# Altium PCB MCU021_V1.0_PCB.PcbDoc (part 1 of 3)
Units mil, origin at the board's own origin, x right, y up, seen from the top; angles counter-clockwise.
Board outline 2300 x 3100 mil, 4 copper layers (Top Layer, GND, Vcc, Bottom Layer), stack 60.63 mil thick; 177 components, 105 nets, 514 pads, 460 vias.
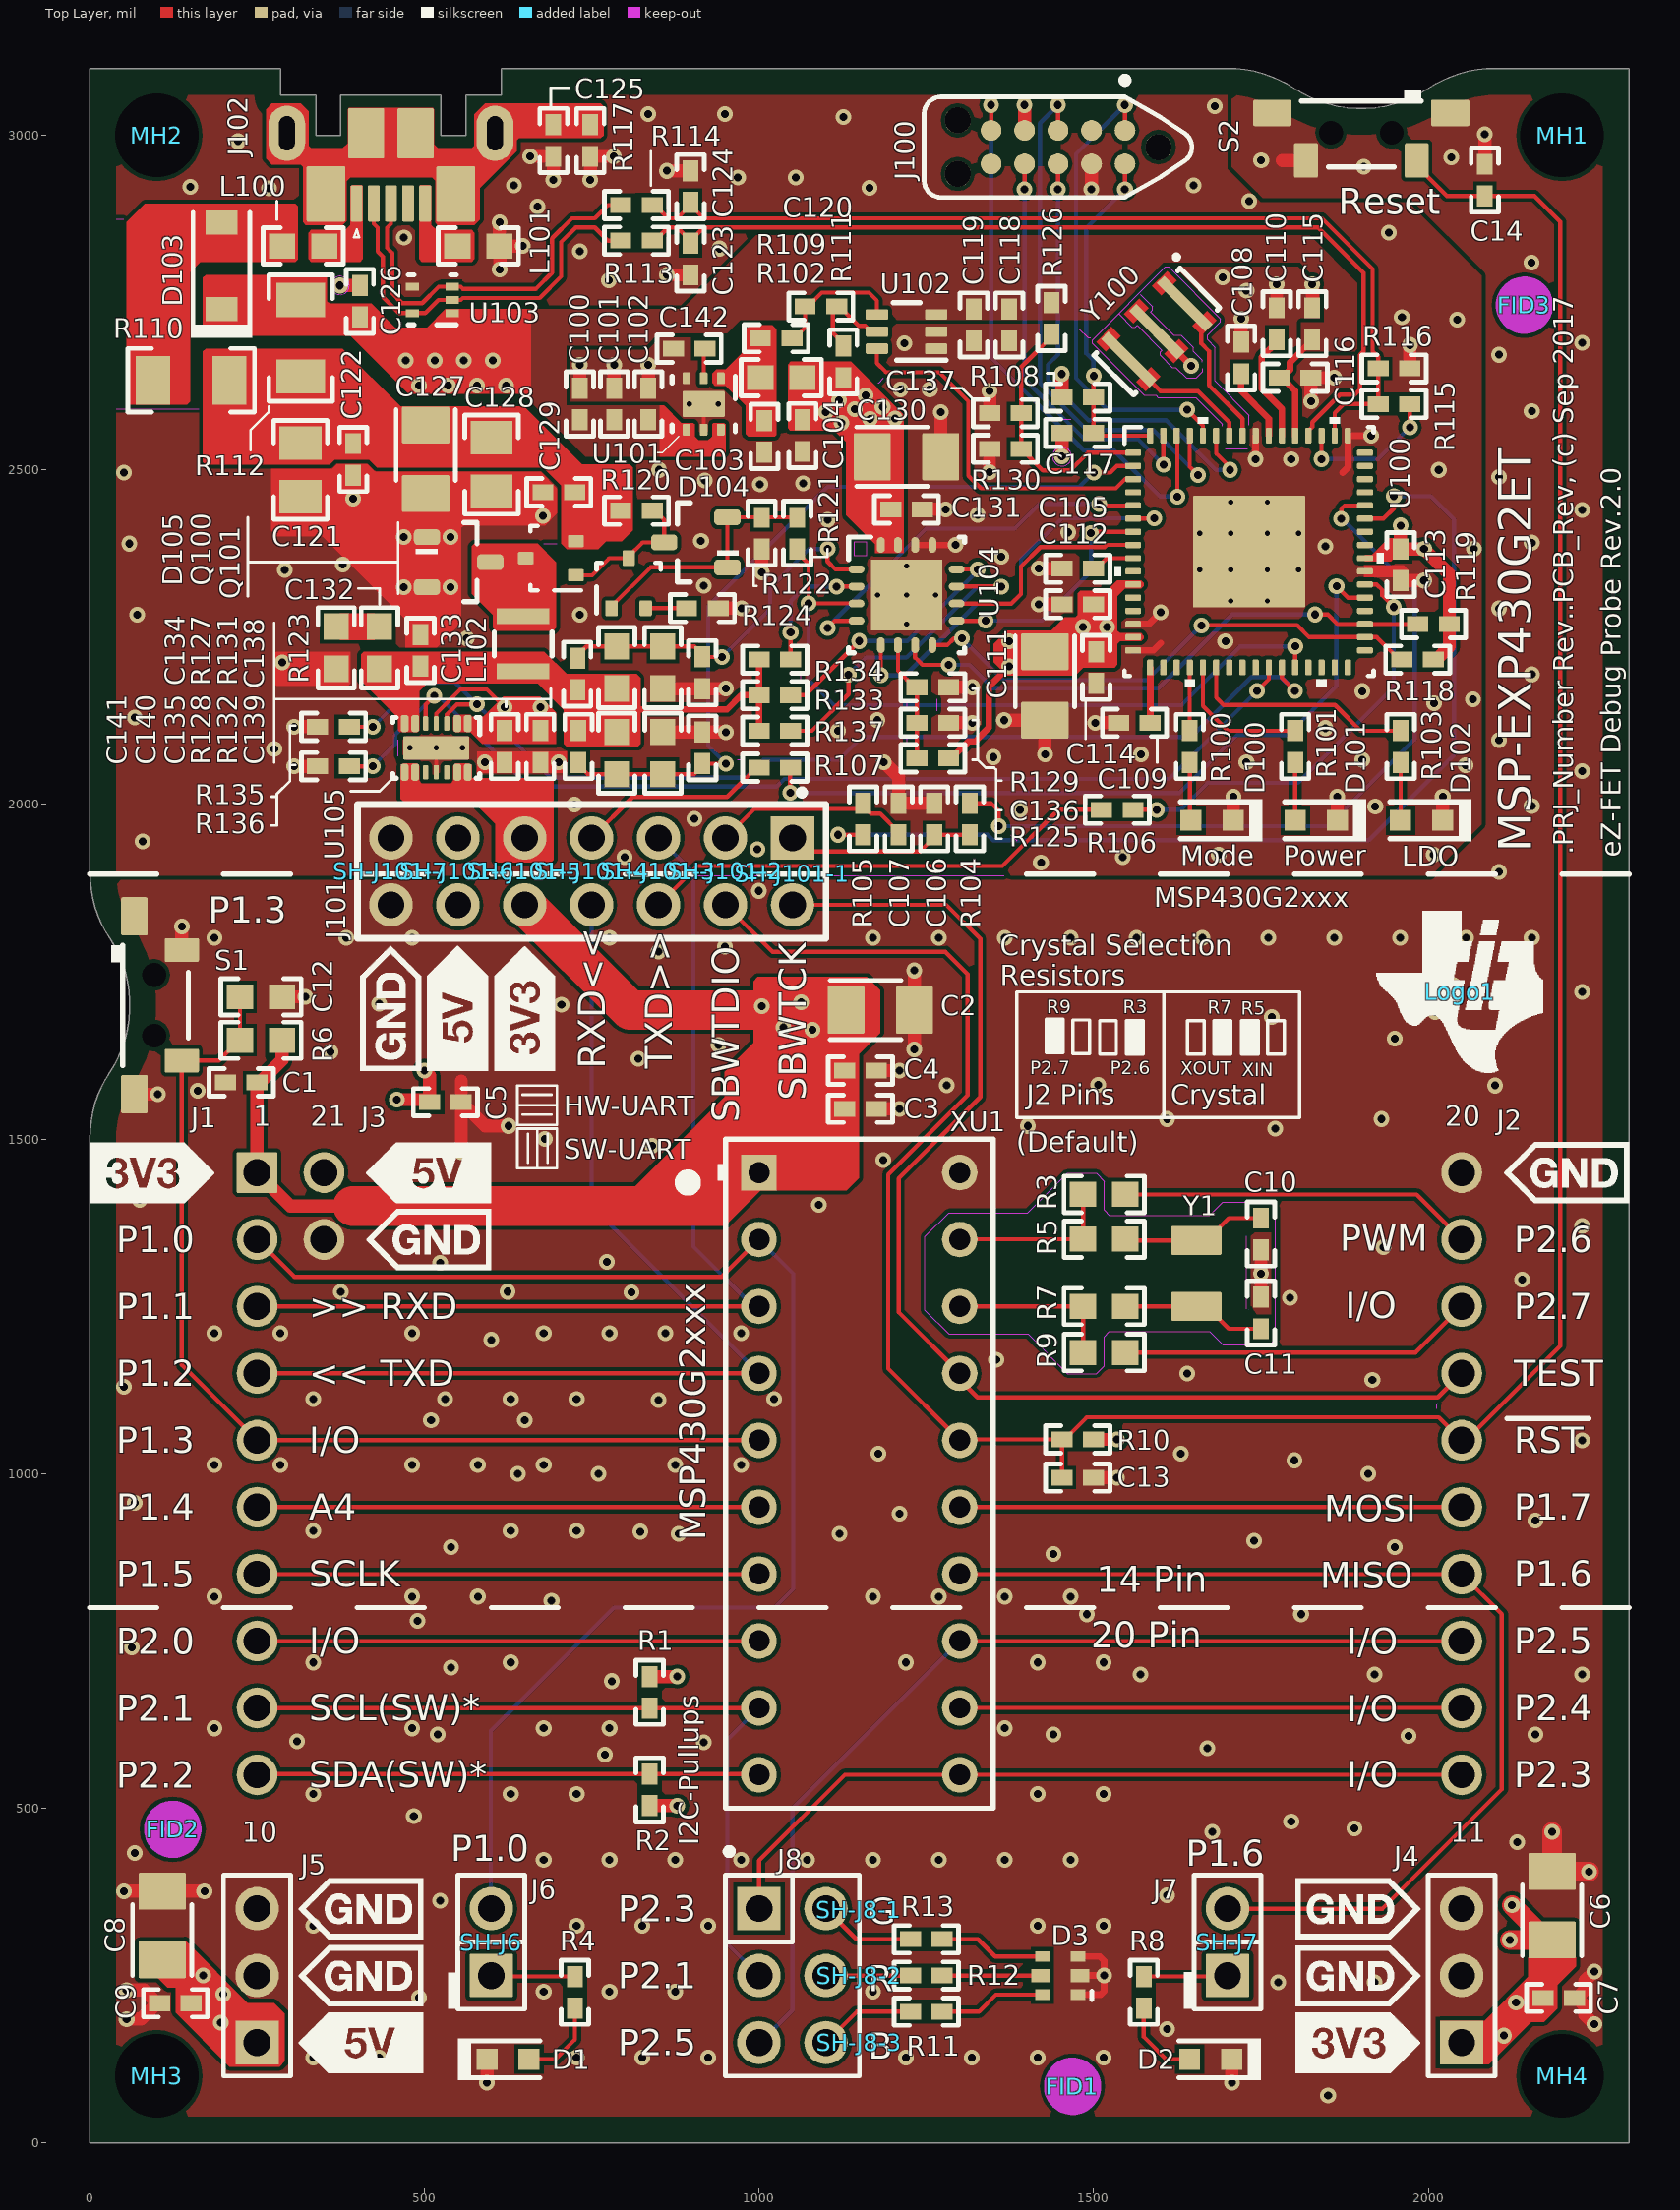
[diagram p0: Top Layer view]
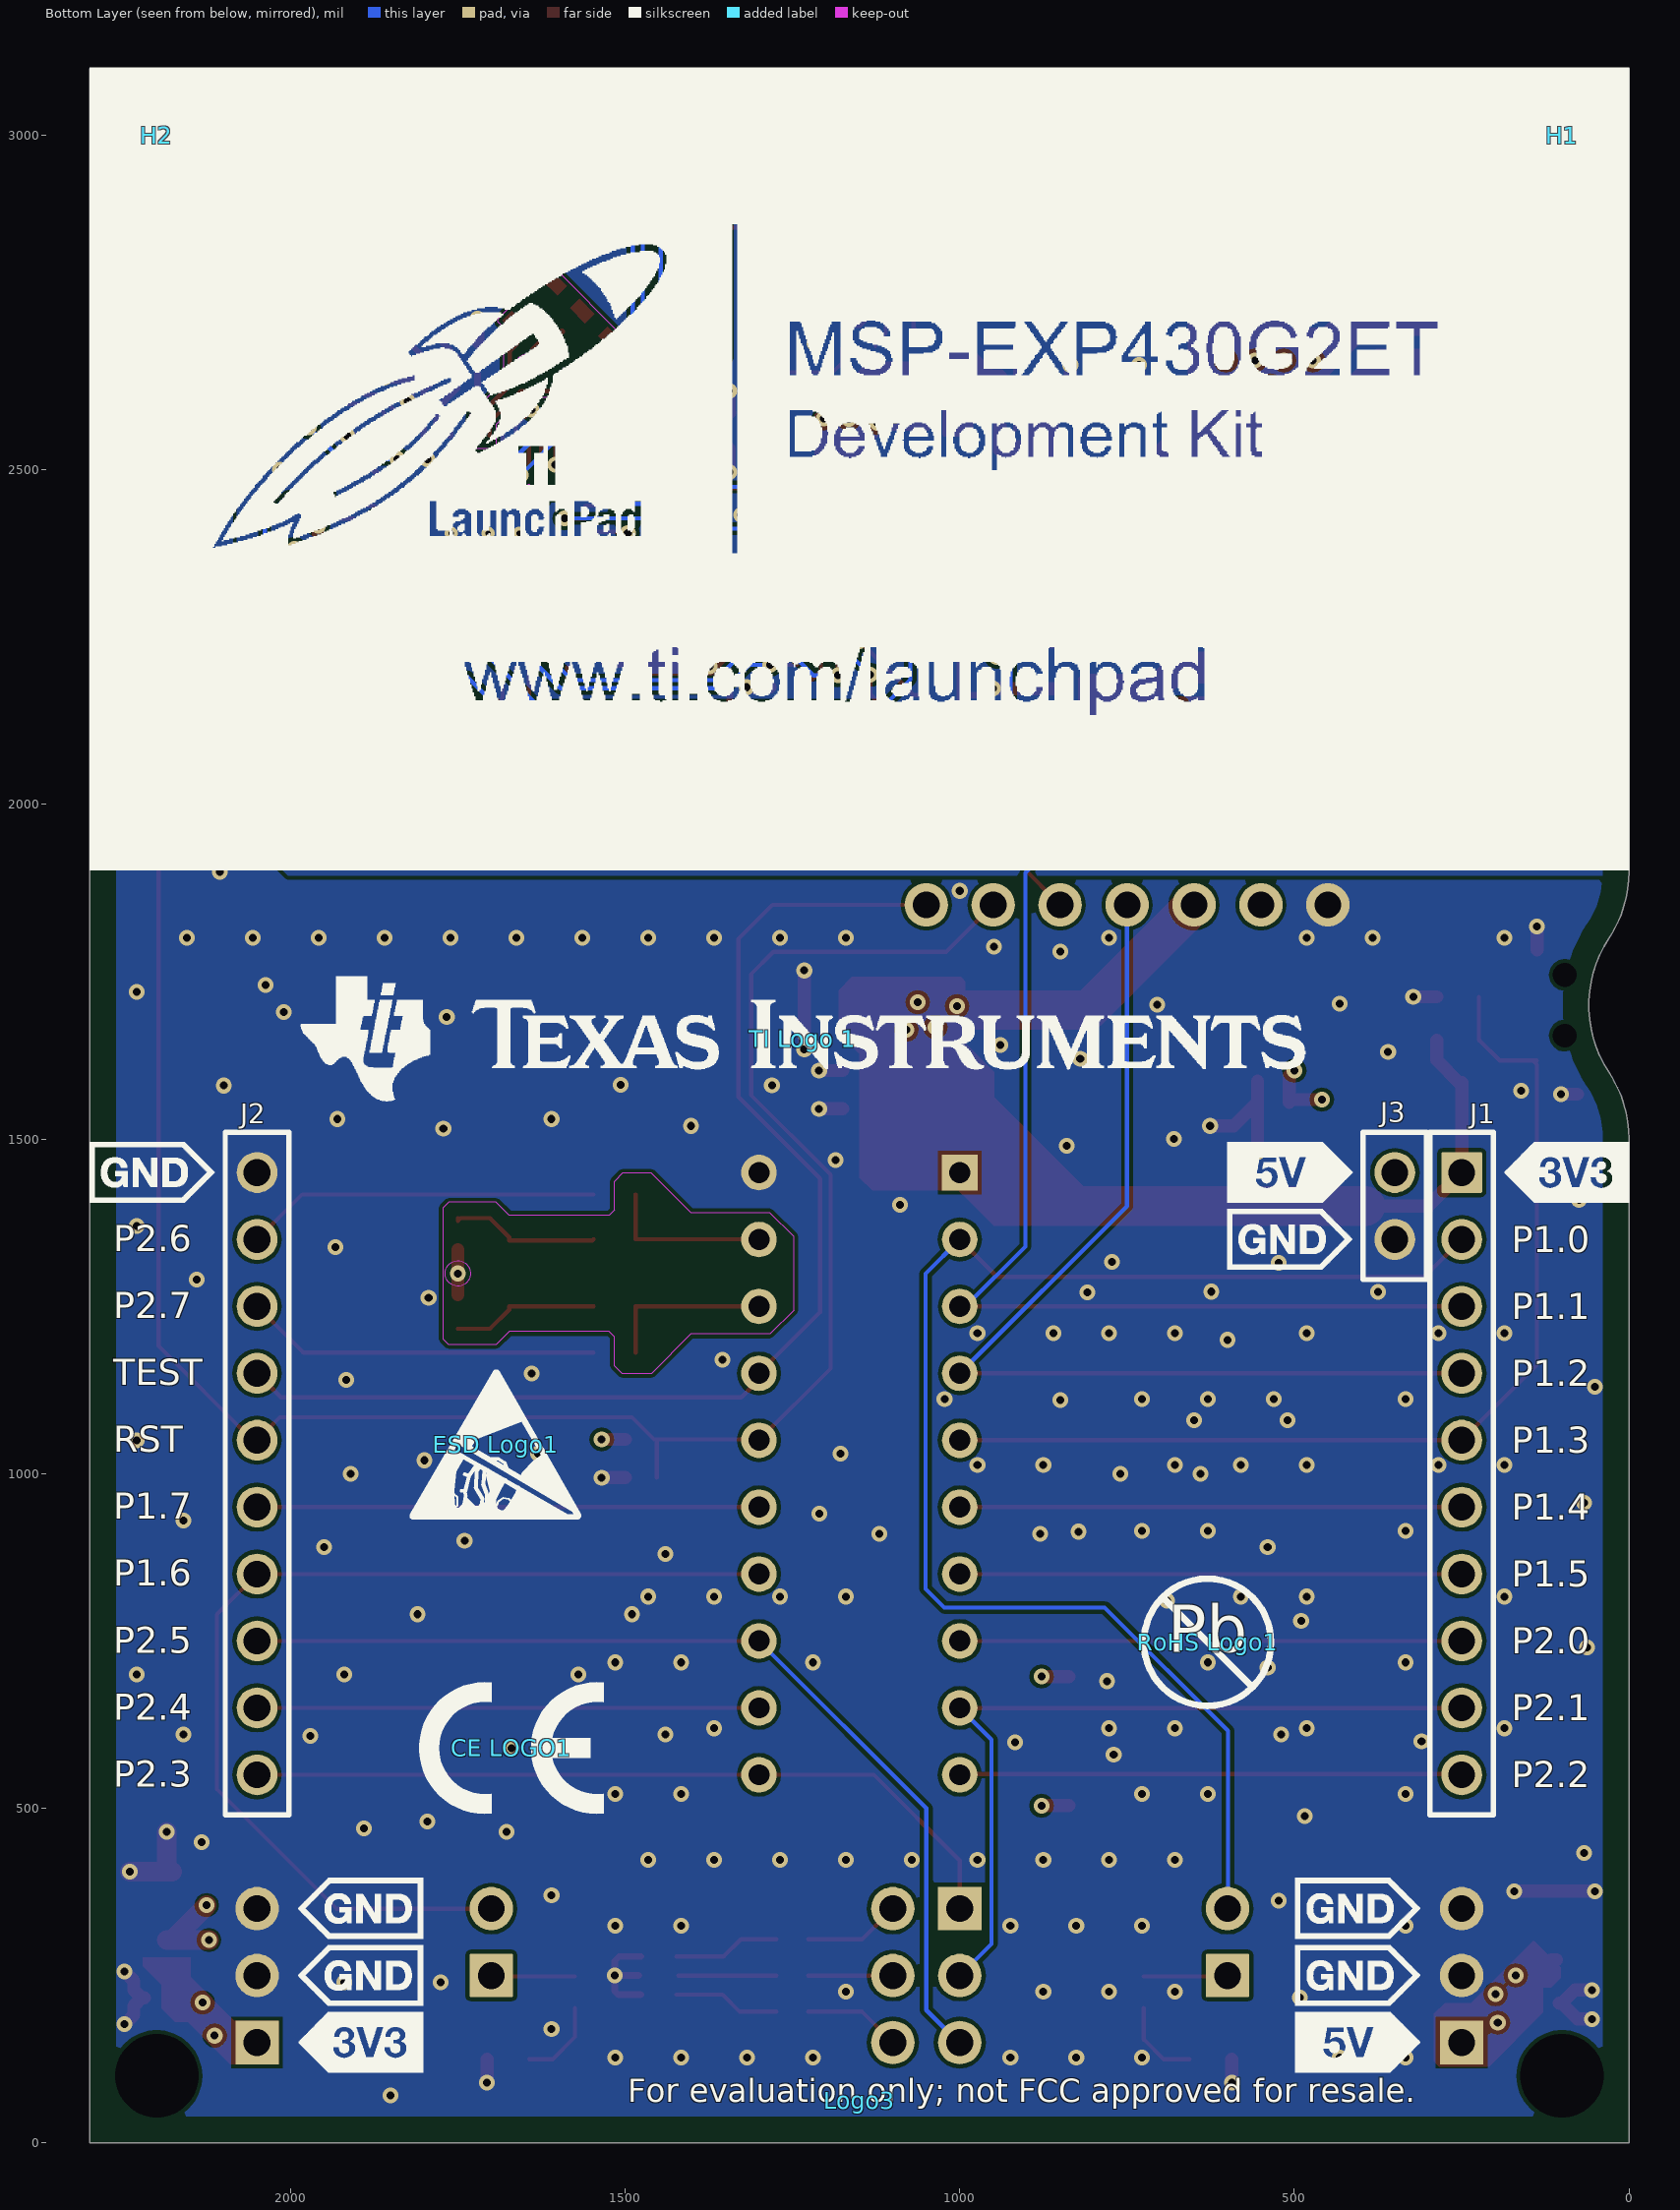
[diagram p1: Bottom Layer view, seen from below]
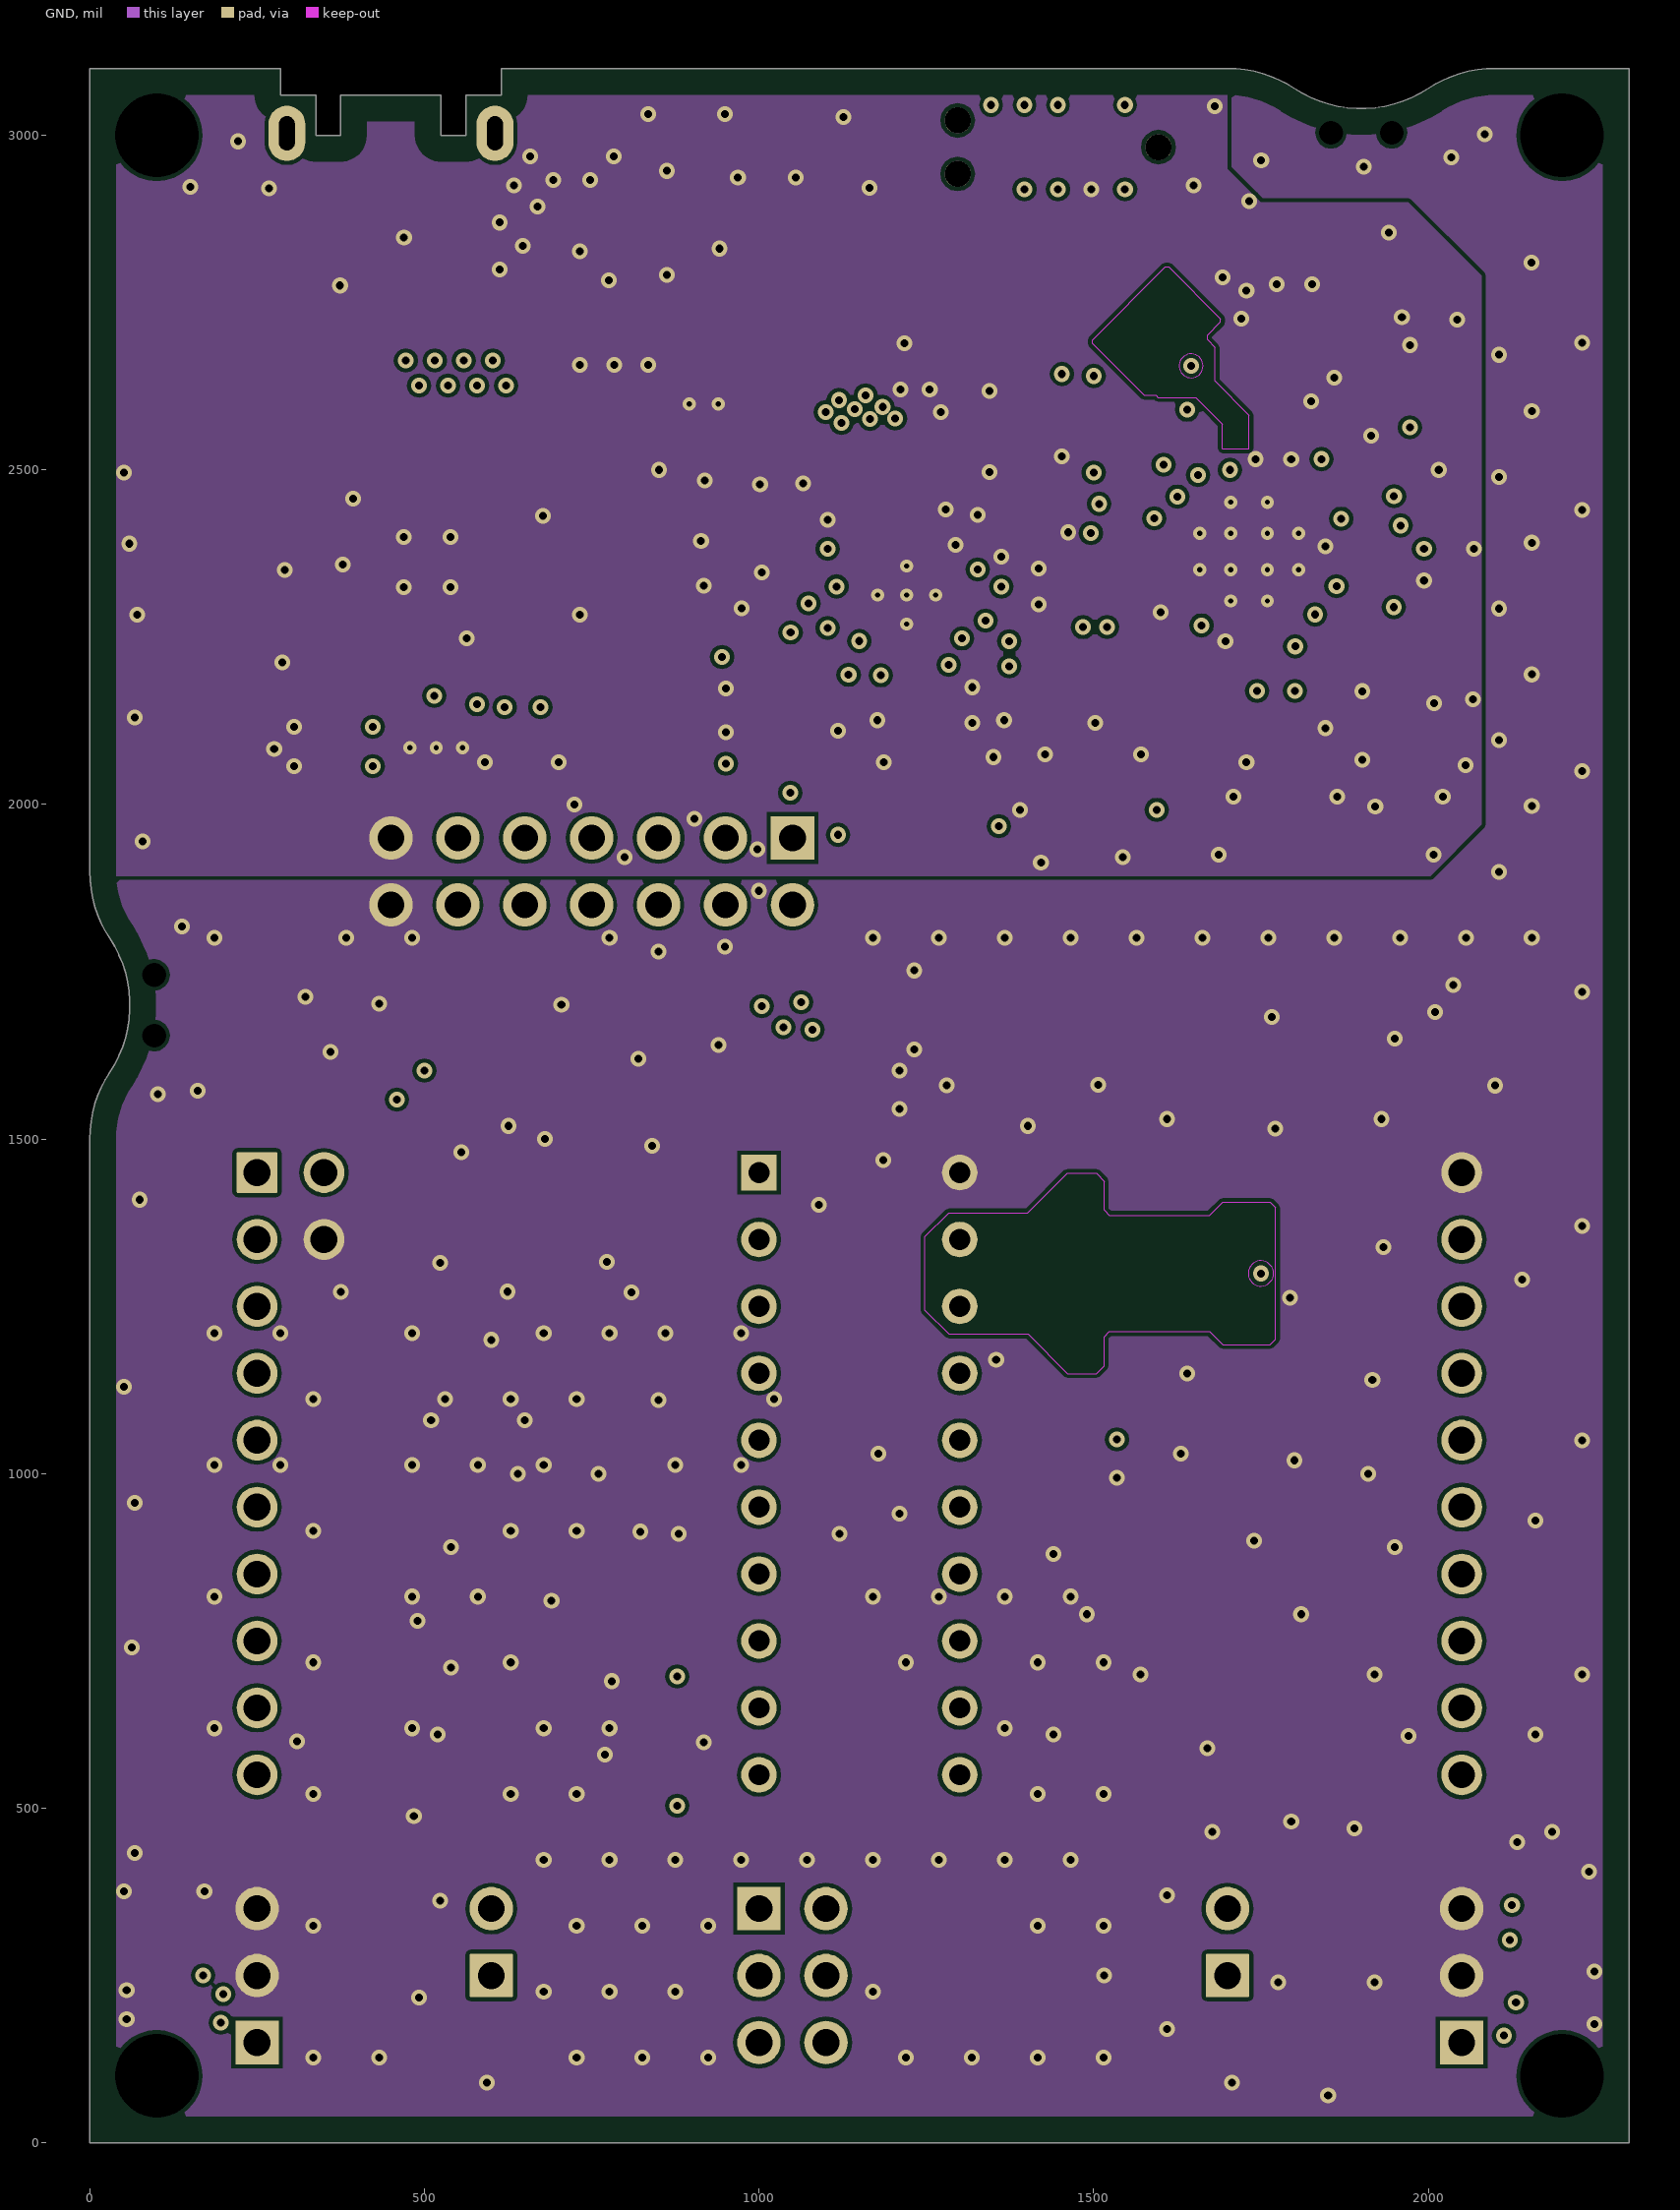
[diagram p2: GND]
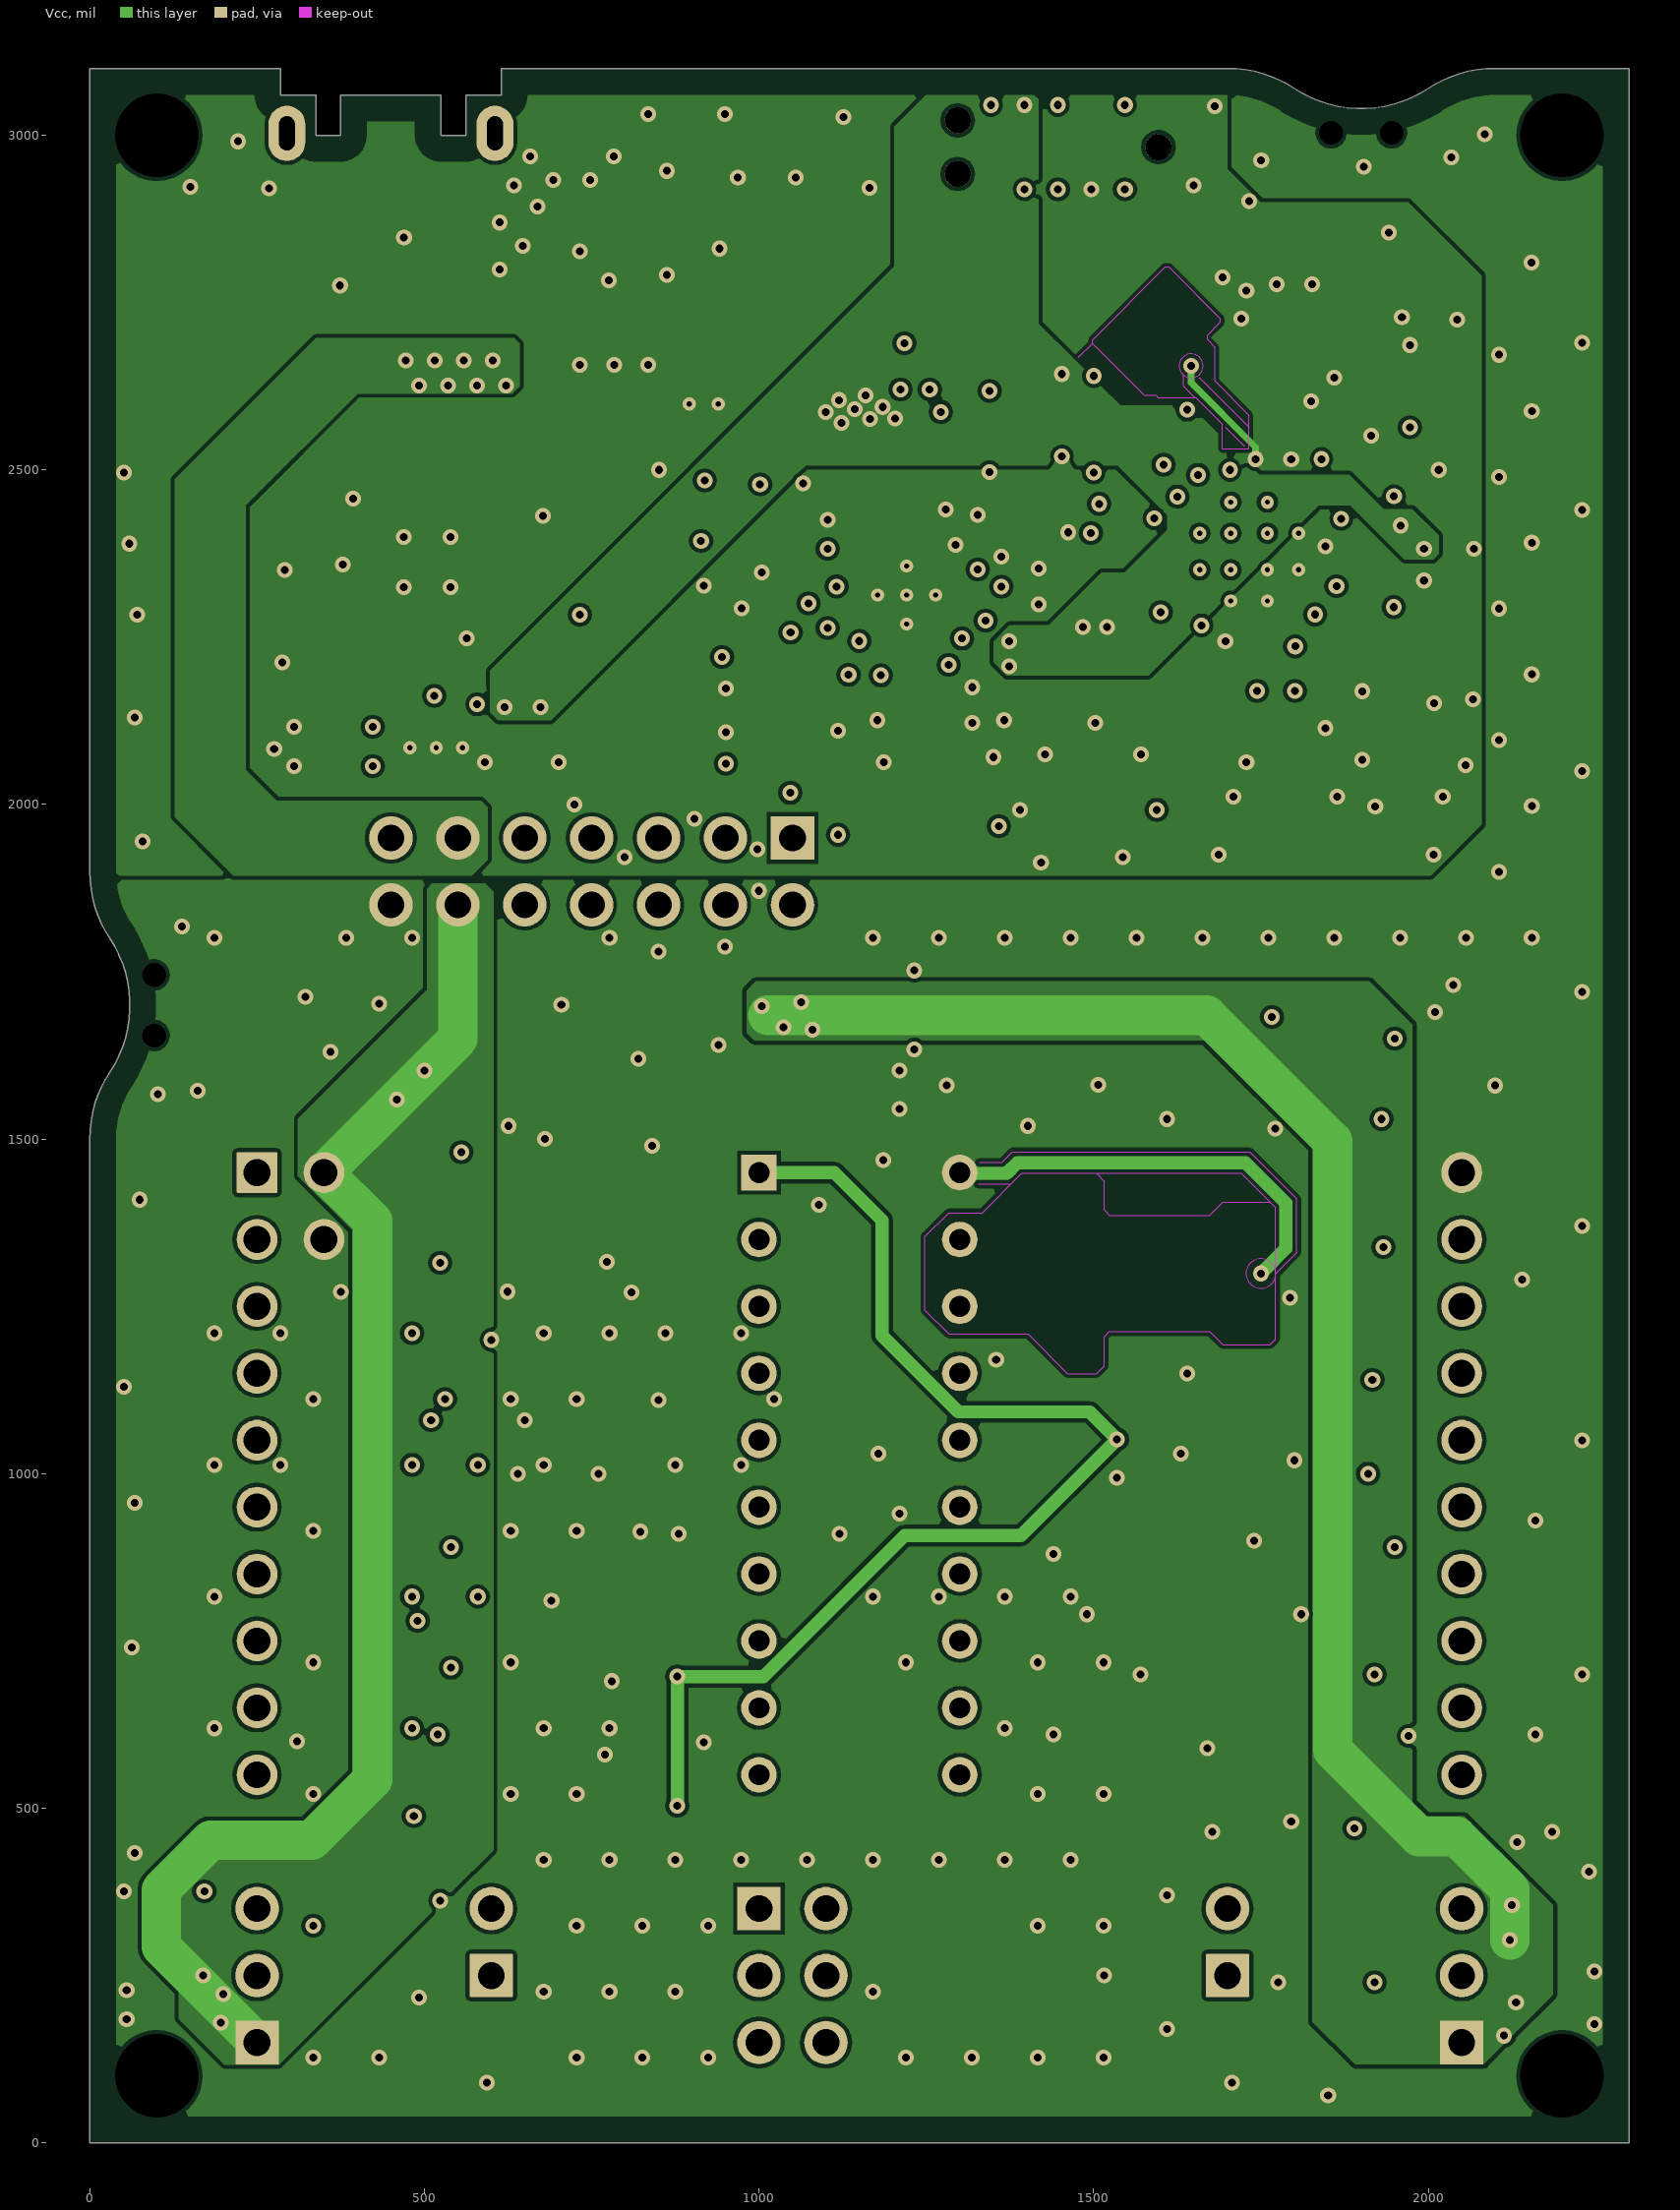
[diagram p3: Vcc]
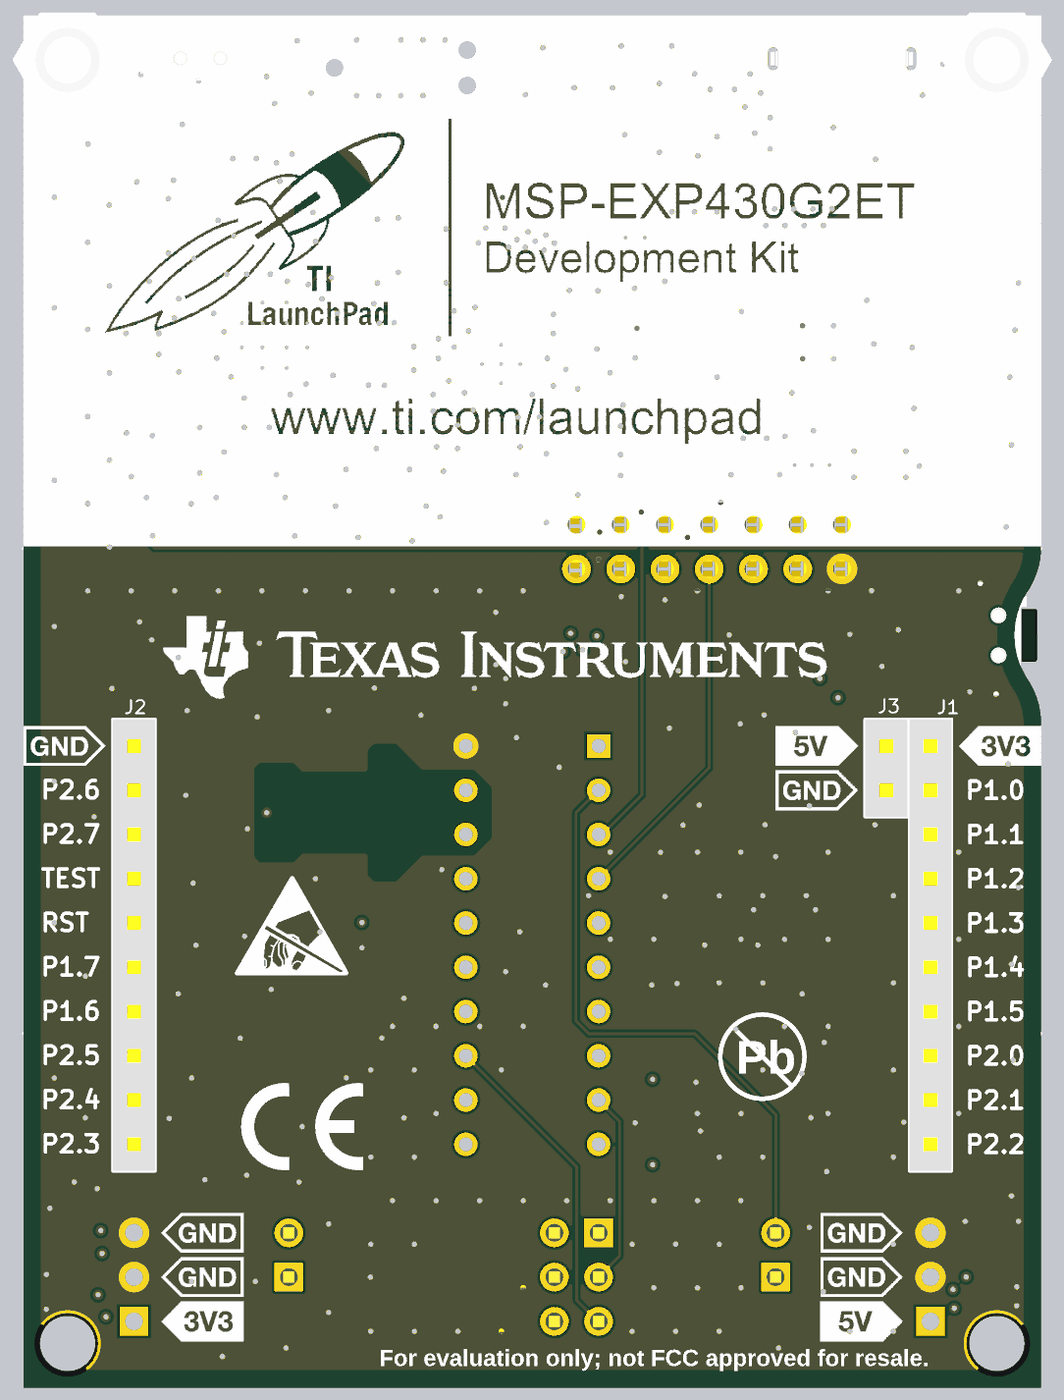
[diagram p6: 3D render of the assembled board from below, using the file's embedded part models]

## Layer stack, top to bottom
Top Solder: solder mask 0.3937, Solder Resist, Dk 3.3
Top Layer: signal copper 1.378
Dielectric 1: prepreg 3.937, FR-4, Dk 4.3
GND: signal copper 1.378
Dielectric 2: core 47.2441, FR-4, Dk 4.3
Vcc: signal copper 1.378
Dielectric 3: prepreg 3.937, FR-4, Dk 4.3
Bottom Layer: signal copper 1.378
Bottom Solder: solder mask 0.3937, Solder Resist, Dk 3.3

## Board outline
0,0 0,1500 cw(c181.67,1500) 30,1600 ccw(c-121.67,1700) 30,1800 cw(c181.67,1900) 0,1900 0,3100 285,3100 285,3060 338,3060 338,3000 375,3000 375,3060 525,3060 525,3000 562,3000 562,3060 615,3060 615,3100 1700,3100 cw(c1700,2918.33) 1800,3070 ccw(c1900,3221.67) 2000,3070 cw(c2100,2918.33) 2100,3100 2300,3100 2300,0
